# Altium PCB Mutiple.PcbDoc (part 1 of 3)
Units mil, origin at the board's own origin, x right, y up, seen from the top; angles counter-clockwise.
Board outline 6720 x 5120 mil, 2 copper layers (Top Layer, Bottom Layer); 565 components, 296 nets, 1281 pads, 171 vias.
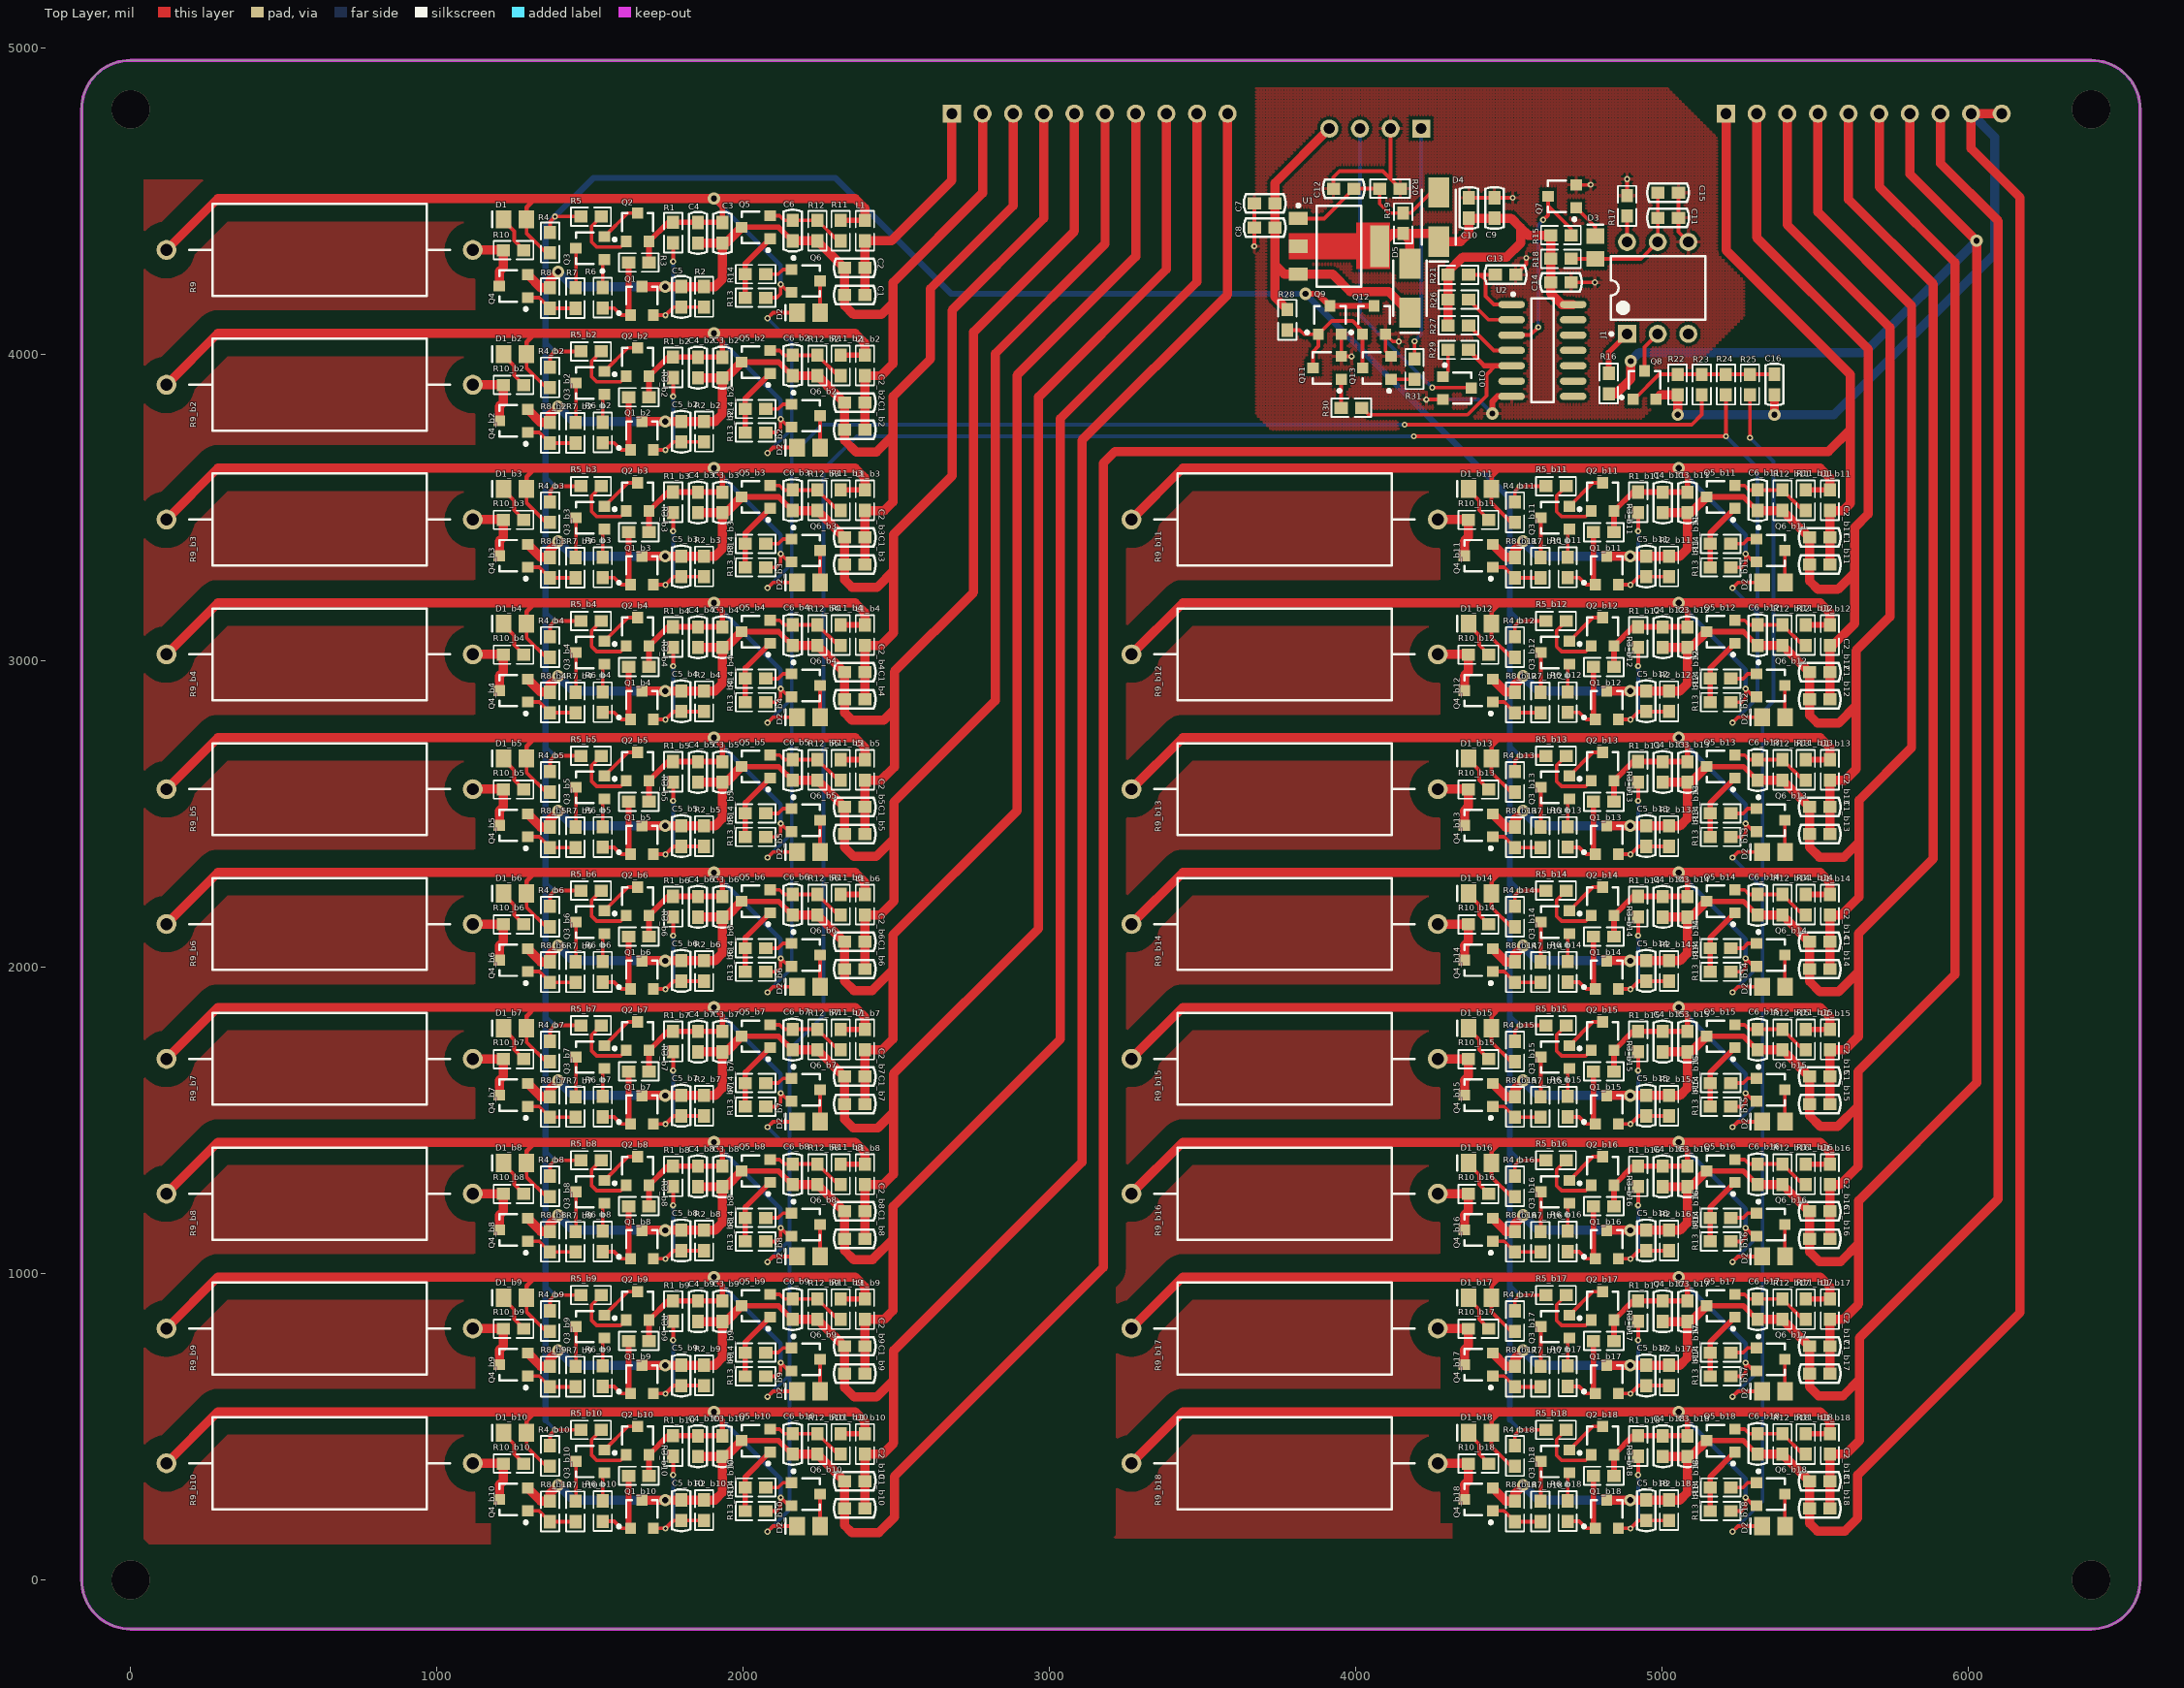
[diagram p0: Top Layer view]
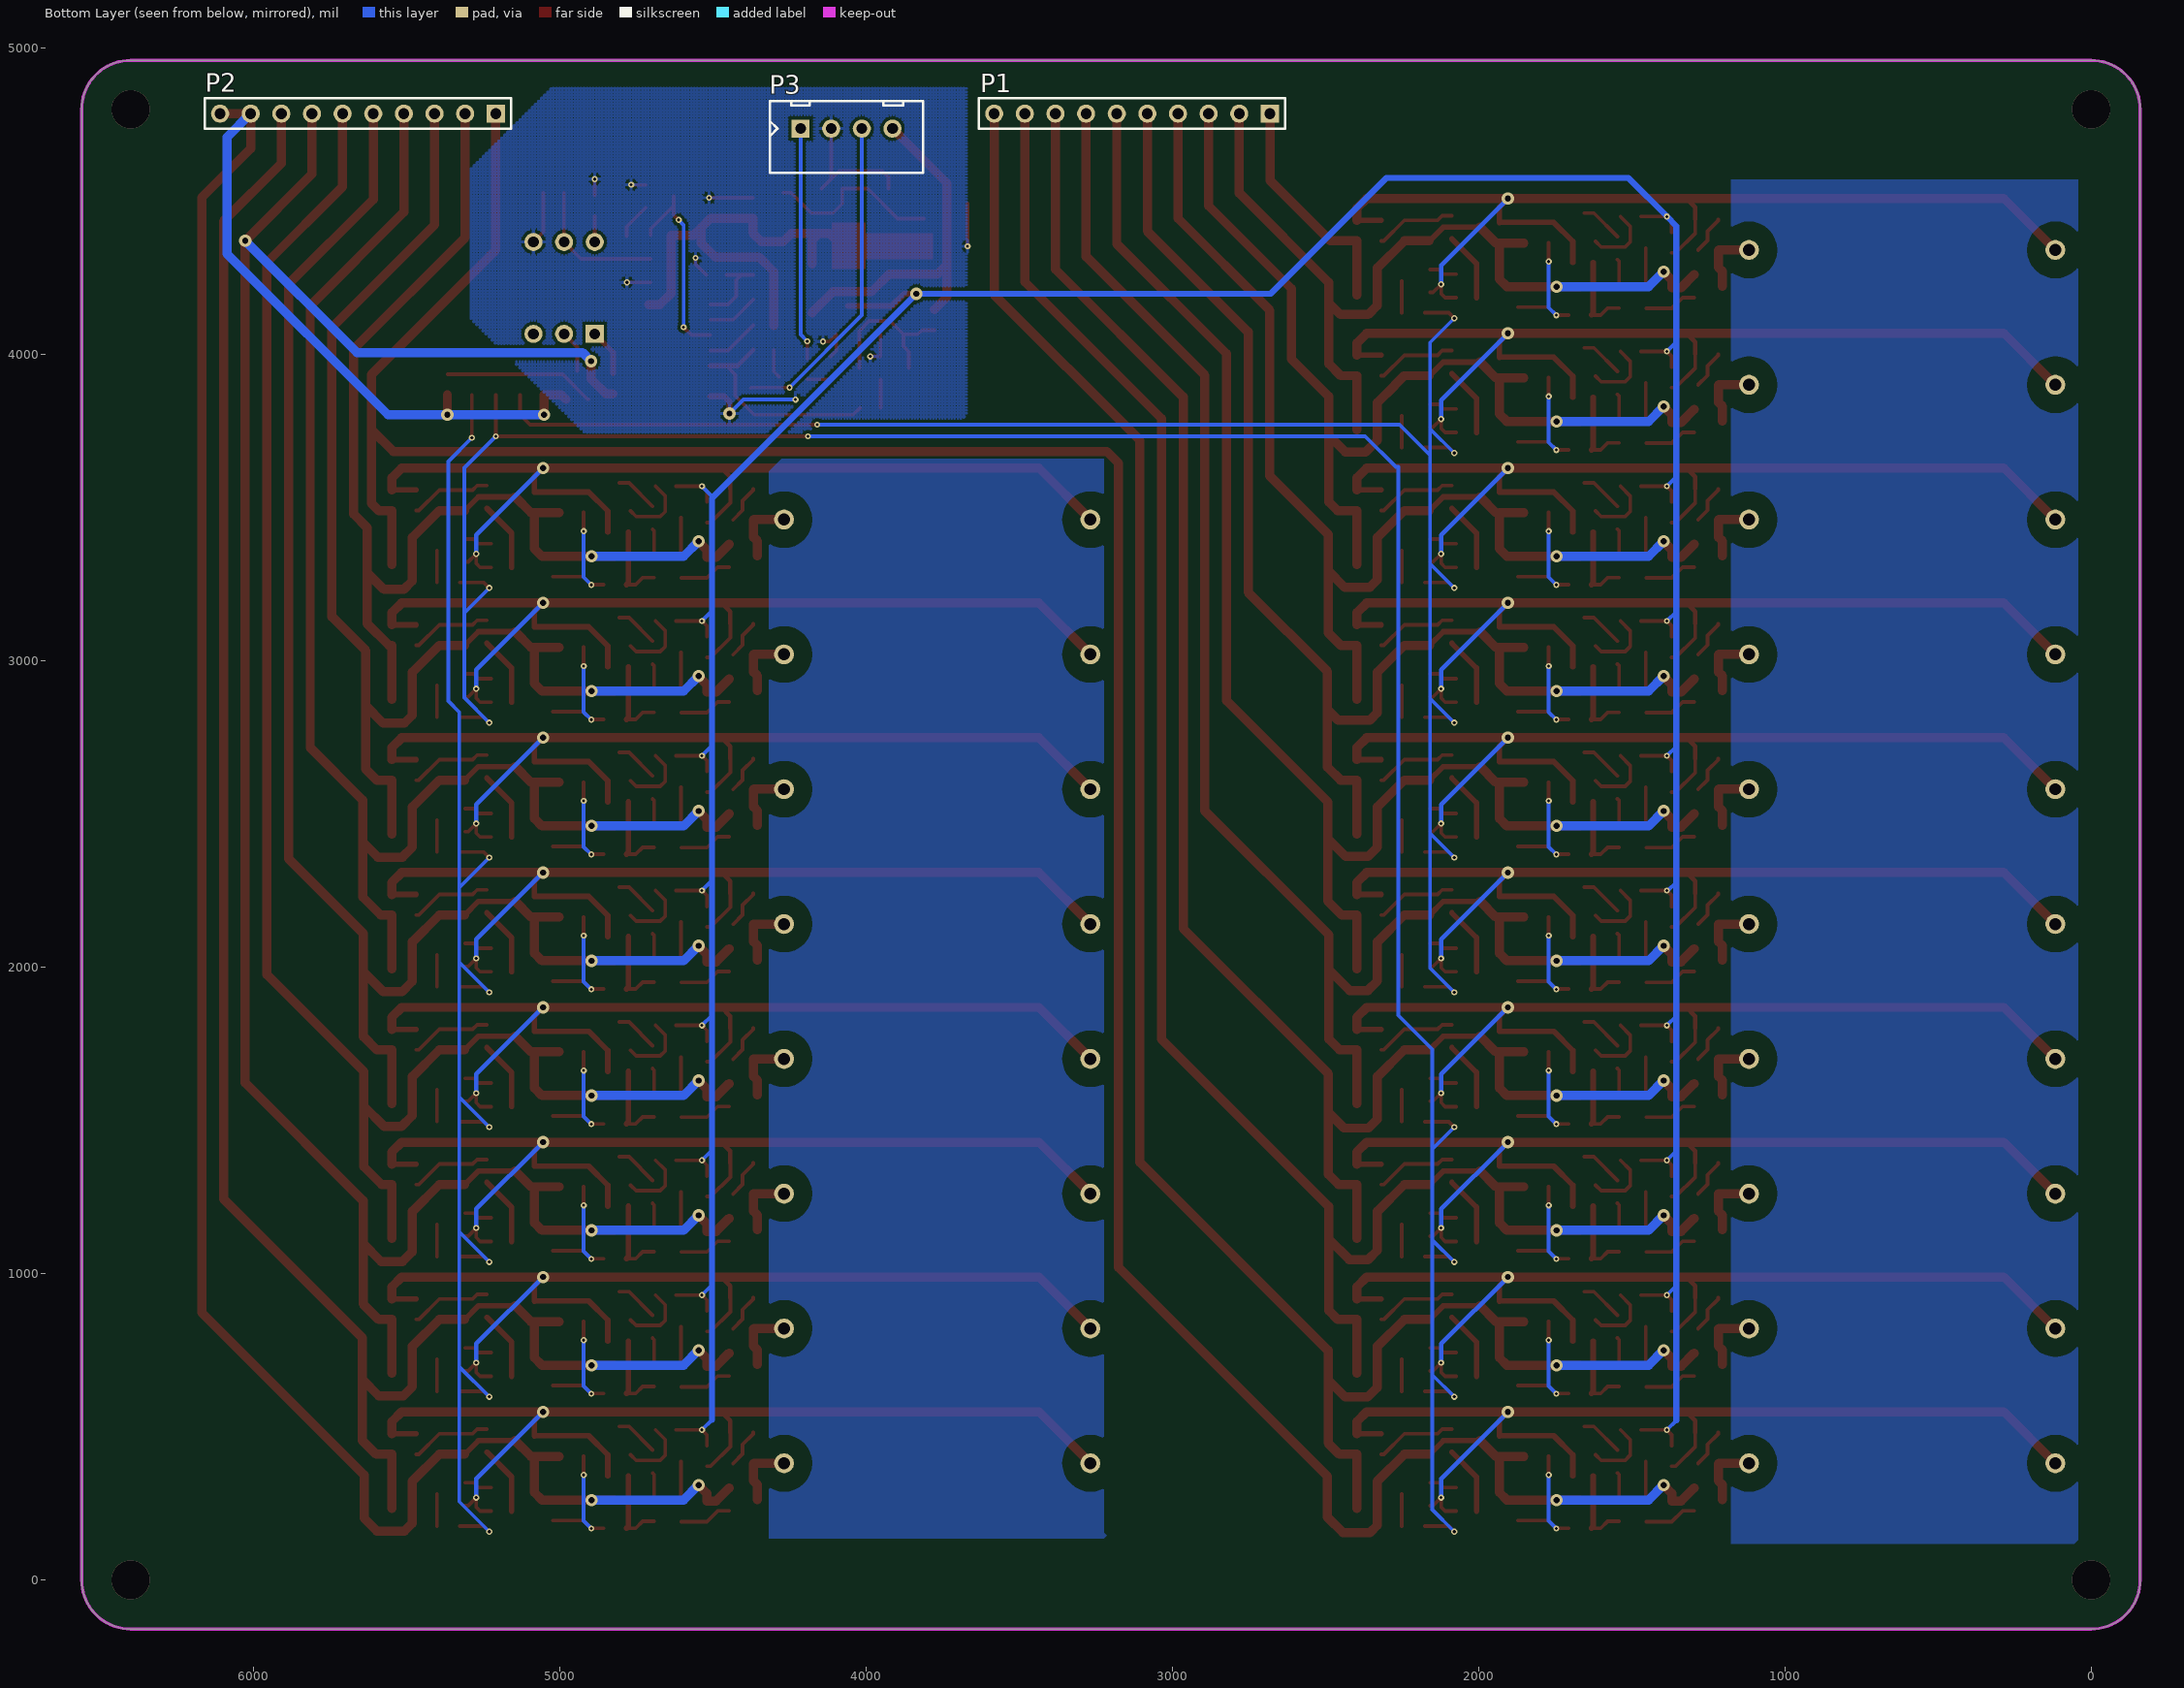
[diagram p1: Bottom Layer view, seen from below]
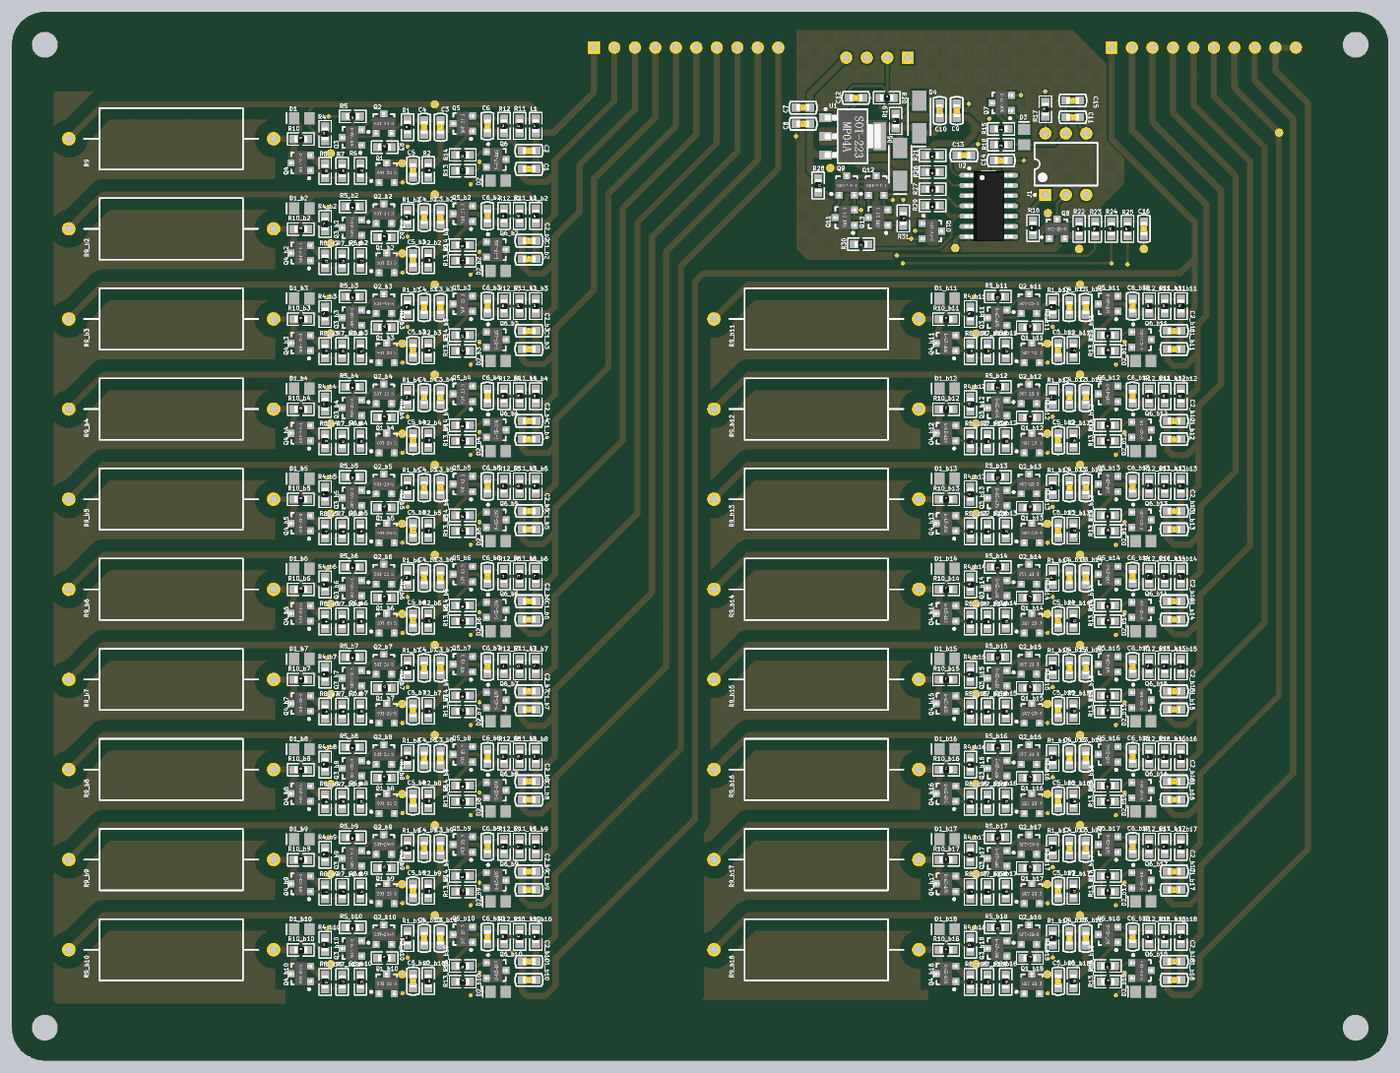
[diagram p4: 3D render of the assembled board from above, using the file's embedded part models]

## Layer stack, top to bottom
Top Solder: solder mask 0.4, Solder Resist, Dk 3.5
Top Layer: signal copper 1.4
Dielectric 1: dielectric 12.6, FR-4, Dk 4.8
Bottom Layer: signal copper 1.4
Bottom Solder: solder mask 0.4, Solder Resist, Dk 3.5

## Board outline
0,-160 cw(c0,0) -160,0 -160,4800 cw(c0,4800) 0,4960 6400,4960 cw(c6400,4800) 6560,4800 6560,0 cw(c6400,0) 6400,-160

## Design rules (kind name [scope] priority, off if disabled: settings)
Clearance Clearance_53 [InNamedPolygon('IN_B17_L02_P030')] p1: gap=60
Clearance Clearance_52 [InNamedPolygon('IN_B17_L02_P030')] p2: gap=10
Clearance Clearance_51 [InNamedPolygon('IN_B17_L02_P030')] p3: gap=10
Clearance Clearance_50 [InNamedPolygon('IN_B17_L01_P028')] p4: gap=60
Clearance Clearance_49 [InNamedPolygon('IN_B17_L01_P028')] p5: gap=60
Clearance Clearance_48 [InNamedPolygon('IN_B17_L01_P026')] p6: gap=60
Clearance Clearance_47 [InNamedPolygon('IN_B17_L01_P026')] p7: gap=10
Clearance Clearance_46 [InNamedPolygon('IN_B17_L02_P024')] p8: gap=60
Clearance Clearance_45 [InNamedPolygon('IN_B17_L02_P024')] p9: gap=10
Clearance Clearance_44 [InNamedPolygon('IN_B17_L01_P014')] p10: gap=60
Clearance Clearance_43 [InNamedPolygon('IN_B17_L02_P012')] p11: gap=60
Clearance Clearance_42 [InNamedPolygon('IN_B17_L01_P010')] p12: gap=60
Clearance Clearance_41 [InNamedPolygon('IN_B17_L01_P010')] p13: gap=10
Clearance Clearance_40 [InNamedPolygon('IN_B17_L02_P008')] p14: gap=60
Clearance Clearance_39 [InNamedPolygon('IN_B17_L02_P008')] p15: gap=10
Clearance Clearance_38 [InNamedPolygon('IN_B17_L02_P008')] p16: gap=40
Clearance Clearance_37 [InNamedPolygon('IN_B17_L02_P008')] p17: gap=10
Clearance Clearance_36 [InNamedPolygon('IN_B17_L01_P010')] p18: gap=40
Clearance Clearance_35 [InNamedPolygon('IN_B17_L02_P012')] p19: gap=40
Clearance Clearance_34 [InNamedPolygon('IN_B17_L01_P014')] p20: gap=40
Clearance Clearance_33 [InNamedPolygon('IN_B17_L02_P008')] p21: gap=40
Clearance Clearance_32 [InNamedPolygon('C-_L01_P000')] p22: gap=20
Clearance Clearance_31 [InNamedPolygon('C-_L01_P000')] p23: gap=10
Clearance Clearance_30 [InNamedPolygon('C-_L01_P000')] p24: gap=10
Clearance Clearance_29 [InNamedPolygon('C-_L01_P000')] p25: gap=20
Clearance Clearance_28 [InNamedPolygon('C-_L01_P000')] p26: gap=40
Clearance Clearance_27 [InNamedPolygon('OUT_G16_L01_P009')] p27: gap=40
Clearance Clearance_26 [InNamedPolygon('OUT_G16_L02_P010')] p28: gap=40
Clearance Clearance_25 [InNamedPolygon('OUT_G16_L02_P010')] p29: gap=40
Clearance Clearance_24 [InNamedPolygon('OUT_G16_L02_P007')] p30: gap=40
Clearance Clearance_23 [InNamedPolygon('OUT_G16_L01_P008')] p31: gap=40
Clearance Clearance_22 [InNamedPolygon('OUT_G16_L02_P003')] p32: gap=40
Clearance Clearance_21 [InNamedPolygon('OUT_G16_L02_P003')] p33: gap=40
Clearance Clearance_20 [InNamedPolygon('OUT_G16_L01_P004')] p34: gap=40
Clearance Clearance_19 [InNamedPolygon('OUT_G16_L02_P000')] p35: gap=40
Clearance Clearance_18 [InNamedPolygon('OUT_G16_L02_P000')] p36: gap=40
Clearance Clearance_17 [InNamedPolygon('OUT_G16_L01_P001')] p37: gap=40
Clearance Clearance_16 [InNamedPolygon('GND')] p38: gap=40
Clearance Clearance_15 [InNamedPolygon('GND')] p39: gap=15
Clearance Clearance_14 [InNamedPolygon('GND')] p40: gap=15
Clearance Clearance_13 [InNamedPolygon('GND')] p41: gap=15
Clearance Clearance_12 [InNamedPolygon('GND')] p42: gap=20
Clearance Clearance_11 [InNamedPolygon('GND')] p43: gap=40
Clearance Clearance_10 [InNamedPolygon('GND')] p44: gap=15
Clearance Clearance_9 [InNamedPolygon('GND')] p45: gap=12
Clearance Clearance_8 [InNamedPolygon('GND')] p46: gap=10
Clearance Clearance_7 [InNamedPolygon('GND')] p47: gap=15
Clearance Clearance_6 [InNamedPolygon('GND')] p48: gap=15
Clearance Clearance_5 [InNamedPolygon('GND')] p49: gap=20
Clearance Clearance_4 [InNamedPolygon('GND')] p50: gap=40
Clearance Clearance_3 [InNamedPolygon('GND')] p51: gap=40
Clearance Clearance_2 [InNamedPolygon('OUT_G16_L01_P002')] p52: gap=40
Clearance Clearance_1 [InNamedPolygon('OUT_G16_L01_P002')] p53: gap=40
Clearance [All] p54: gap=10
HoleSize [All] p1: absolutevalues=TRUE maxlimit=1000 minlimit=0 maxpercent=80.000 minpercent=20.000
MinimumSolderMaskSliver [All] p1: minsoldermaskwidth=0
PolygonConnect [All] p1: connectstyle=Relief reliefconductorwidth=10 reliefentries=4 polygonreliefangle="90 Angle" airgapwidth=10
RoomDefinition Single [InComponentClass('Single')] p1: confinementstyle=ConfineIn formatcopy=FALSE lockcomponents=FALSE outline 75,4535 2470,4535 2470,4095 75,4095
RoomDefinition b18 [InComponentClass('b18')] p2: confinementstyle=ConfineIn formatcopy=TRUE lockcomponents=FALSE outline 3225,575 5620,575 5620,135 3225,135
RoomDefinition b17 [InComponentClass('b17')] p3: confinementstyle=ConfineIn formatcopy=TRUE lockcomponents=FALSE outline 3225,1015 5620,1015 5620,575 3225,575
RoomDefinition b16 [InComponentClass('b16')] p4: confinementstyle=ConfineIn formatcopy=TRUE lockcomponents=FALSE outline 3225,1455 5620,1455 5620,1015 3225,1015
RoomDefinition b15 [InComponentClass('b15')] p5: confinementstyle=ConfineIn formatcopy=TRUE lockcomponents=FALSE outline 3225,1895 5620,1895 5620,1455 3225,1455
RoomDefinition b14 [InComponentClass('b14')] p6: confinementstyle=ConfineIn formatcopy=TRUE lockcomponents=FALSE outline 3225,2335 5620,2335 5620,1895 3225,1895
RoomDefinition b13 [InComponentClass('b13')] p7: confinementstyle=ConfineIn formatcopy=TRUE lockcomponents=FALSE outline 3225,2775 5620,2775 5620,2335 3225,2335
RoomDefinition b12 [InComponentClass('b12')] p8: confinementstyle=ConfineIn formatcopy=TRUE lockcomponents=FALSE outline 3225,3215 5620,3215 5620,2775 3225,2775
RoomDefinition b11 [InComponentClass('b11')] p9: confinementstyle=ConfineIn formatcopy=TRUE lockcomponents=FALSE outline 3225,3655 5620,3655 5620,3215 3225,3215
RoomDefinition b10 [InComponentClass('b10')] p10: confinementstyle=ConfineIn formatcopy=TRUE lockcomponents=FALSE outline 75,575 2470,575 2470,135 75,135
RoomDefinition b9 [InComponentClass('b9')] p11: confinementstyle=ConfineIn formatcopy=TRUE lockcomponents=FALSE outline 75,1015 2470,1015 2470,575 75,575
RoomDefinition b8 [InComponentClass('b8')] p12: confinementstyle=ConfineIn formatcopy=TRUE lockcomponents=FALSE outline 75,1455 2470,1455 2470,1015 75,1015
RoomDefinition b7 [InComponentClass('b7')] p13: confinementstyle=ConfineIn formatcopy=TRUE lockcomponents=FALSE outline 75,1895 2470,1895 2470,1455 75,1455
RoomDefinition b6 [InComponentClass('b6')] p14: confinementstyle=ConfineIn formatcopy=TRUE lockcomponents=FALSE outline 75,2335 2470,2335 2470,1895 75,1895
RoomDefinition b5 [InComponentClass('b5')] p15: confinementstyle=ConfineIn formatcopy=TRUE lockcomponents=FALSE outline 75,2775 2470,2775 2470,2335 75,2335
RoomDefinition b4 [InComponentClass('b4')] p16: confinementstyle=ConfineIn formatcopy=TRUE lockcomponents=FALSE outline 75,3215 2470,3215 2470,2775 75,2775
RoomDefinition b3 [InComponentClass('b3')] p17: confinementstyle=ConfineIn formatcopy=TRUE lockcomponents=FALSE outline 75,3655 2470,3655 2470,3215 75,3215
RoomDefinition b2 [InComponentClass('b2')] p18: confinementstyle=ConfineIn formatcopy=TRUE lockcomponents=FALSE outline 75,4095 2470,4095 2470,3655 75,3655
RoutingVias [All] p1: holewidth=10 width=20 viastyle="Through Hole" minholewidth=1 minwidth=1 maxholewidth=100 maxwidth=100
SilkToSilkClearance [All] p1: silktosilkclearance=1
SilkToSolderMaskClearance [IsPad] p1: minsilkscreentomaskgap=1 clearancetoexposedcopper=TRUE
SolderMaskExpansion [All] p1: expansion=0
Width [All] p1: maxlimit=100 minlimit=1 preferedwidth=12 minimp=50.000000 maximp=50.000000 favimp=50.000000
26 further rules are at their usual default settings.

## Classes and differential pairs
channel class Single: b2 b3 b4 b5 b6 b7 b8 b9 b10 b11 b12 b13 b14 b15 b16 b17 b18 Single
net class OUT_G[1..17]: OUT_G17
net class OUT[1..17]: OUT5 OUT11 OUT17
net class IN_B[1..17]: IN_B17
component class b18: C1_b18 C2_b18 C3_b18 C4_b18 C5_b18 C6_b18 D1_b18 D2_b18 L1_b18 Q1_b18 Q2_b18 Q3_b18 Q4_b18 Q5_b18 Q6_b18 R1_b18 R2_b18 R3_b18 R4_b18 R5_b18 R6_b18 R7_b18 R8_b18 R9_b18 R10_b18 R11_b18 R12_b18 R13_b18 R14_b18
component class b2: C1_b2 C2_b2 C3_b2 C4_b2 C5_b2 C6_b2 D1_b1 D1_b2 D2_b1 D2_b2 L1_b2 Q1_b1 Q1_b2 Q2_b1 Q2_b2 Q3_b1 Q3_b2 Q4_b1 Q4_b2 Q5_b1 Q5_b2 Q6_b1 Q6_b2 Q7_b1 Q8_b1 Q9_b1 Q10_b1 R1_b1 R1_b2 R2_b1 R2_b2 R3_b1 R3_b2 R4_b1 R4_b2 R5_b1 R5_b2 R6_b1 R6_b2 R7_b1 R7_b2 R8_b1 R8_b2 R9_b1 R9_b2 R10_b1 R10_b2 R11_b1 R11_b2 R12_b1 R12_b2 R13_b1 R13_b2 R14_b1 R14_b2 R15_b1 R16_b1 R17_b1 R18_b1 R19_b1 R20_b1 R21_b1 R22_b1 R23_b1 R24_b1 U1_b1 U2_b1
net class IN_A[1..17]: IN_A0 IN_A1 IN_A2 IN_A3 IN_A4 IN_A5 IN_A6 IN_A7 IN_A8 IN_A9 IN_A10 IN_A11 IN_A12 IN_A13 IN_A14 IN_A15 IN_A16 IN_A17
component class Single: C1 C2 C3 C4 C5 C6 D1 D2 L1 Q1 Q2 Q3 Q4 Q5 Q6 R1 R2 R3 R4 R5 R6 R7 R8 R9 R10 R11 R12 R13 R14
component class b4: C1_b4 C2_b4 C3_b4 C4_b4 C5_b4 C6_b4 D1_b4 D2_b4 L1_b4 Q1_b4 Q2_b4 Q3_b4 Q4_b4 Q5_b4 Q6_b4 R1_b4 R2_b4 R3_b4 R4_b4 R5_b4 R6_b4 R7_b4 R8_b4 R9_b4 R10_b4 R11_b4 R12_b4 R13_b4 R14_b4
component class Mutiple: C7 C8 C9 C10 C11 C12 C13 C14 C15 C16 D3 D4 D5 J1 P1 P2 P3 Q7 Q8 Q9 Q10 Q11 Q12 Q13 R15 R16 R17 R18 R19 R20 R21 R22 R23 R24 R25 R26 R27 R28 R29 R30 R31 U1 U2
component class b5: C1_b5 C2_b5 C3_b5 C4_b5 C5_b5 C6_b5 D1_b5 D2_b5 L1_b5 Q1_b5 Q2_b5 Q3_b5 Q4_b5 Q5_b5 Q6_b5 R1_b5 R2_b5 R3_b5 R4_b5 R5_b5 R6_b5 R7_b5 R8_b5 R9_b5 R10_b5 R11_b5 R12_b5 R13_b5 R14_b5
component class b6: C1_b6 C2_b6 C3_b6 C4_b6 C5_b6 C6_b6 D1_b6 D2_b6 L1_b6 Q1_b6 Q2_b6 Q3_b6 Q4_b6 Q5_b6 Q6_b6 R1_b6 R2_b6 R3_b6 R4_b6 R5_b6 R6_b6 R7_b6 R8_b6 R9_b6 R10_b6 R11_b6 R12_b6 R13_b6 R14_b6
component class b7: C1_b7 C2_b7 C3_b7 C4_b7 C5_b7 C6_b7 D1_b7 D2_b7 L1_b7 Q1_b7 Q2_b7 Q3_b7 Q4_b7 Q5_b7 Q6_b7 R1_b7 R2_b7 R3_b7 R4_b7 R5_b7 R6_b7 R7_b7 R8_b7 R9_b7 R10_b7 R11_b7 R12_b7 R13_b7 R14_b7
component class b8: C1_b8 C2_b8 C3_b8 C4_b8 C5_b8 C6_b8 D1_b8 D2_b8 L1_b8 Q1_b8 Q2_b8 Q3_b8 Q4_b8 Q5_b8 Q6_b8 R1_b8 R2_b8 R3_b8 R4_b8 R5_b8 R6_b8 R7_b8 R8_b8 R9_b8 R10_b8 R11_b8 R12_b8 R13_b8 R14_b8
component class b9: C1_b9 C2_b9 C3_b9 C4_b9 C5_b9 C6_b9 D1_b9 D2_b9 L1_b9 Q1_b9 Q2_b9 Q3_b9 Q4_b9 Q5_b9 Q6_b9 R1_b9 R2_b9 R3_b9 R4_b9 R5_b9 R6_b9 R7_b9 R8_b9 R9_b9 R10_b9 R11_b9 R12_b9 R13_b9 R14_b9
component class b11: C1_b11 C2_b11 C3_b11 C4_b11 C5_b11 C6_b11 D1_b11 D2_b11 L1_b11 Q1_b11 Q2_b11 Q3_b11 Q4_b11 Q5_b11 Q6_b11 R1_b11 R2_b11 R3_b11 R4_b11 R5_b11 R6_b11 R7_b11 R8_b11 R9_b11 R10_b11 R11_b11 R12_b11 R13_b11 R14_b11
component class b10: C1_b10 C2_b10 C3_b10 C4_b10 C5_b10 C6_b10 D1_b10 D2_b10 L1_b10 Q1_b10 Q2_b10 Q3_b10 Q4_b10 Q5_b10 Q6_b10 R1_b10 R2_b10 R3_b10 R4_b10 R5_b10 R6_b10 R7_b10 R8_b10 R9_b10 R10_b10 R11_b10 R12_b10 R13_b10 R14_b10
component class b12: C1_b12 C2_b12 C3_b12 C4_b12 C5_b12 C6_b12 D1_b12 D2_b12 L1_b12 Q1_b12 Q2_b12 Q3_b12 Q4_b12 Q5_b12 Q6_b12 R1_b12 R2_b12 R3_b12 R4_b12 R5_b12 R6_b12 R7_b12 R8_b12 R9_b12 R10_b12 R11_b12 R12_b12 R13_b12 R14_b12
component class b13: C1_b13 C2_b13 C3_b13 C4_b13 C5_b13 C6_b13 D1_b13 D2_b13 L1_b13 Q1_b13 Q2_b13 Q3_b13 Q4_b13 Q5_b13 Q6_b13 R1_b13 R2_b13 R3_b13 R4_b13 R5_b13 R6_b13 R7_b13 R8_b13 R9_b13 R10_b13 R11_b13 R12_b13 R13_b13 R14_b13
component class b14: C1_b14 C2_b14 C3_b14 C4_b14 C5_b14 C6_b14 D1_b14 D2_b14 L1_b14 Q1_b14 Q2_b14 Q3_b14 Q4_b14 Q5_b14 Q6_b14 R1_b14 R2_b14 R3_b14 R4_b14 R5_b14 R6_b14 R7_b14 R8_b14 R9_b14 R10_b14 R11_b14 R12_b14 R13_b14 R14_b14
component class b15: C1_b15 C2_b15 C3_b15 C4_b15 C5_b15 C6_b15 D1_b15 D2_b15 L1_b15 Q1_b15 Q2_b15 Q3_b15 Q4_b15 Q5_b15 Q6_b15 R1_b15 R2_b15 R3_b15 R4_b15 R5_b15 R6_b15 R7_b15 R8_b15 R9_b15 R10_b15 R11_b15 R12_b15 R13_b15 R14_b15
component class b16: C1_b16 C2_b16 C3_b16 C4_b16 C5_b16 C6_b16 D1_b16 D2_b16 L1_b16 Q1_b16 Q2_b16 Q3_b16 Q4_b16 Q5_b16 Q6_b16 R1_b16 R2_b16 R3_b16 R4_b16 R5_b16 R6_b16 R7_b16 R8_b16 R9_b16 R10_b16 R11_b16 R12_b16 R13_b16 R14_b16 R14_b19 R16_b19
component class b17: C1_b17 C2_b17 C3_b17 C4_b17 C5_b17 C6_b17 D1_b17 D2_b17 D2_b19 L1_b17 Q1_b17 Q1_b19 Q2_b17 Q3_b17 Q4_b17 Q5_b17 Q5_b19 Q6_b17 Q10_b19 R1_b17 R2_b17 R3_b17 R3_b19 R4_b17 R5_b17 R5_b19 R6_b17 R6_b19 R7_b17 R8_b17 R9_b17 R9_b19 R10_b17 R11_b17 R11_b19 R12_b17 R13_b17 R13_b19 R14_b17 R14_b19 R16_b19 R18_b19 R20_b19 R22_b19 R24_b19 R36_b19 R38_b19 U2_b19
component class b3: C1_b3 C2_b3 C3_b3 C4_b3 C5_b3 C6_b3 D1_b3 D1_b19 D2_b3 D2_b19 L1_b3 Q1_b3 Q1_b19 Q2_b3 Q2_b19 Q3_b3 Q3_b19 Q4_b3 Q4_b19 Q5_b3 Q5_b19 Q6_b3 Q6_b19 Q7_b19 Q8_b19 Q9_b19 Q10_b19 R1_b3 R1_b19 R2_b3 R2_b19 R3_b3 R3_b19 R4_b3 R4_b19 R5_b3 R5_b19 R6_b3 R6_b19 R7_b3 R7_b19 R8_b3 R8_b19 R9_b3 R9_b19 R10_b3 R10_b19 R11_b3 R11_b19 R12_b3 R12_b19 R13_b3 R13_b19 R14_b3 R14_b19 R15_b19 R16_b19 R17_b19 R18_b19 R19_b19 R20_b19 R21_b19 R22_b19 R23_b19 R24_b19 R35_b19 R36_b19 R37_b19 R38_b19 U1_b19 U2_b19
